# KiCad board Smart LED WS2812B Ring7.kicad_pcb (continued)
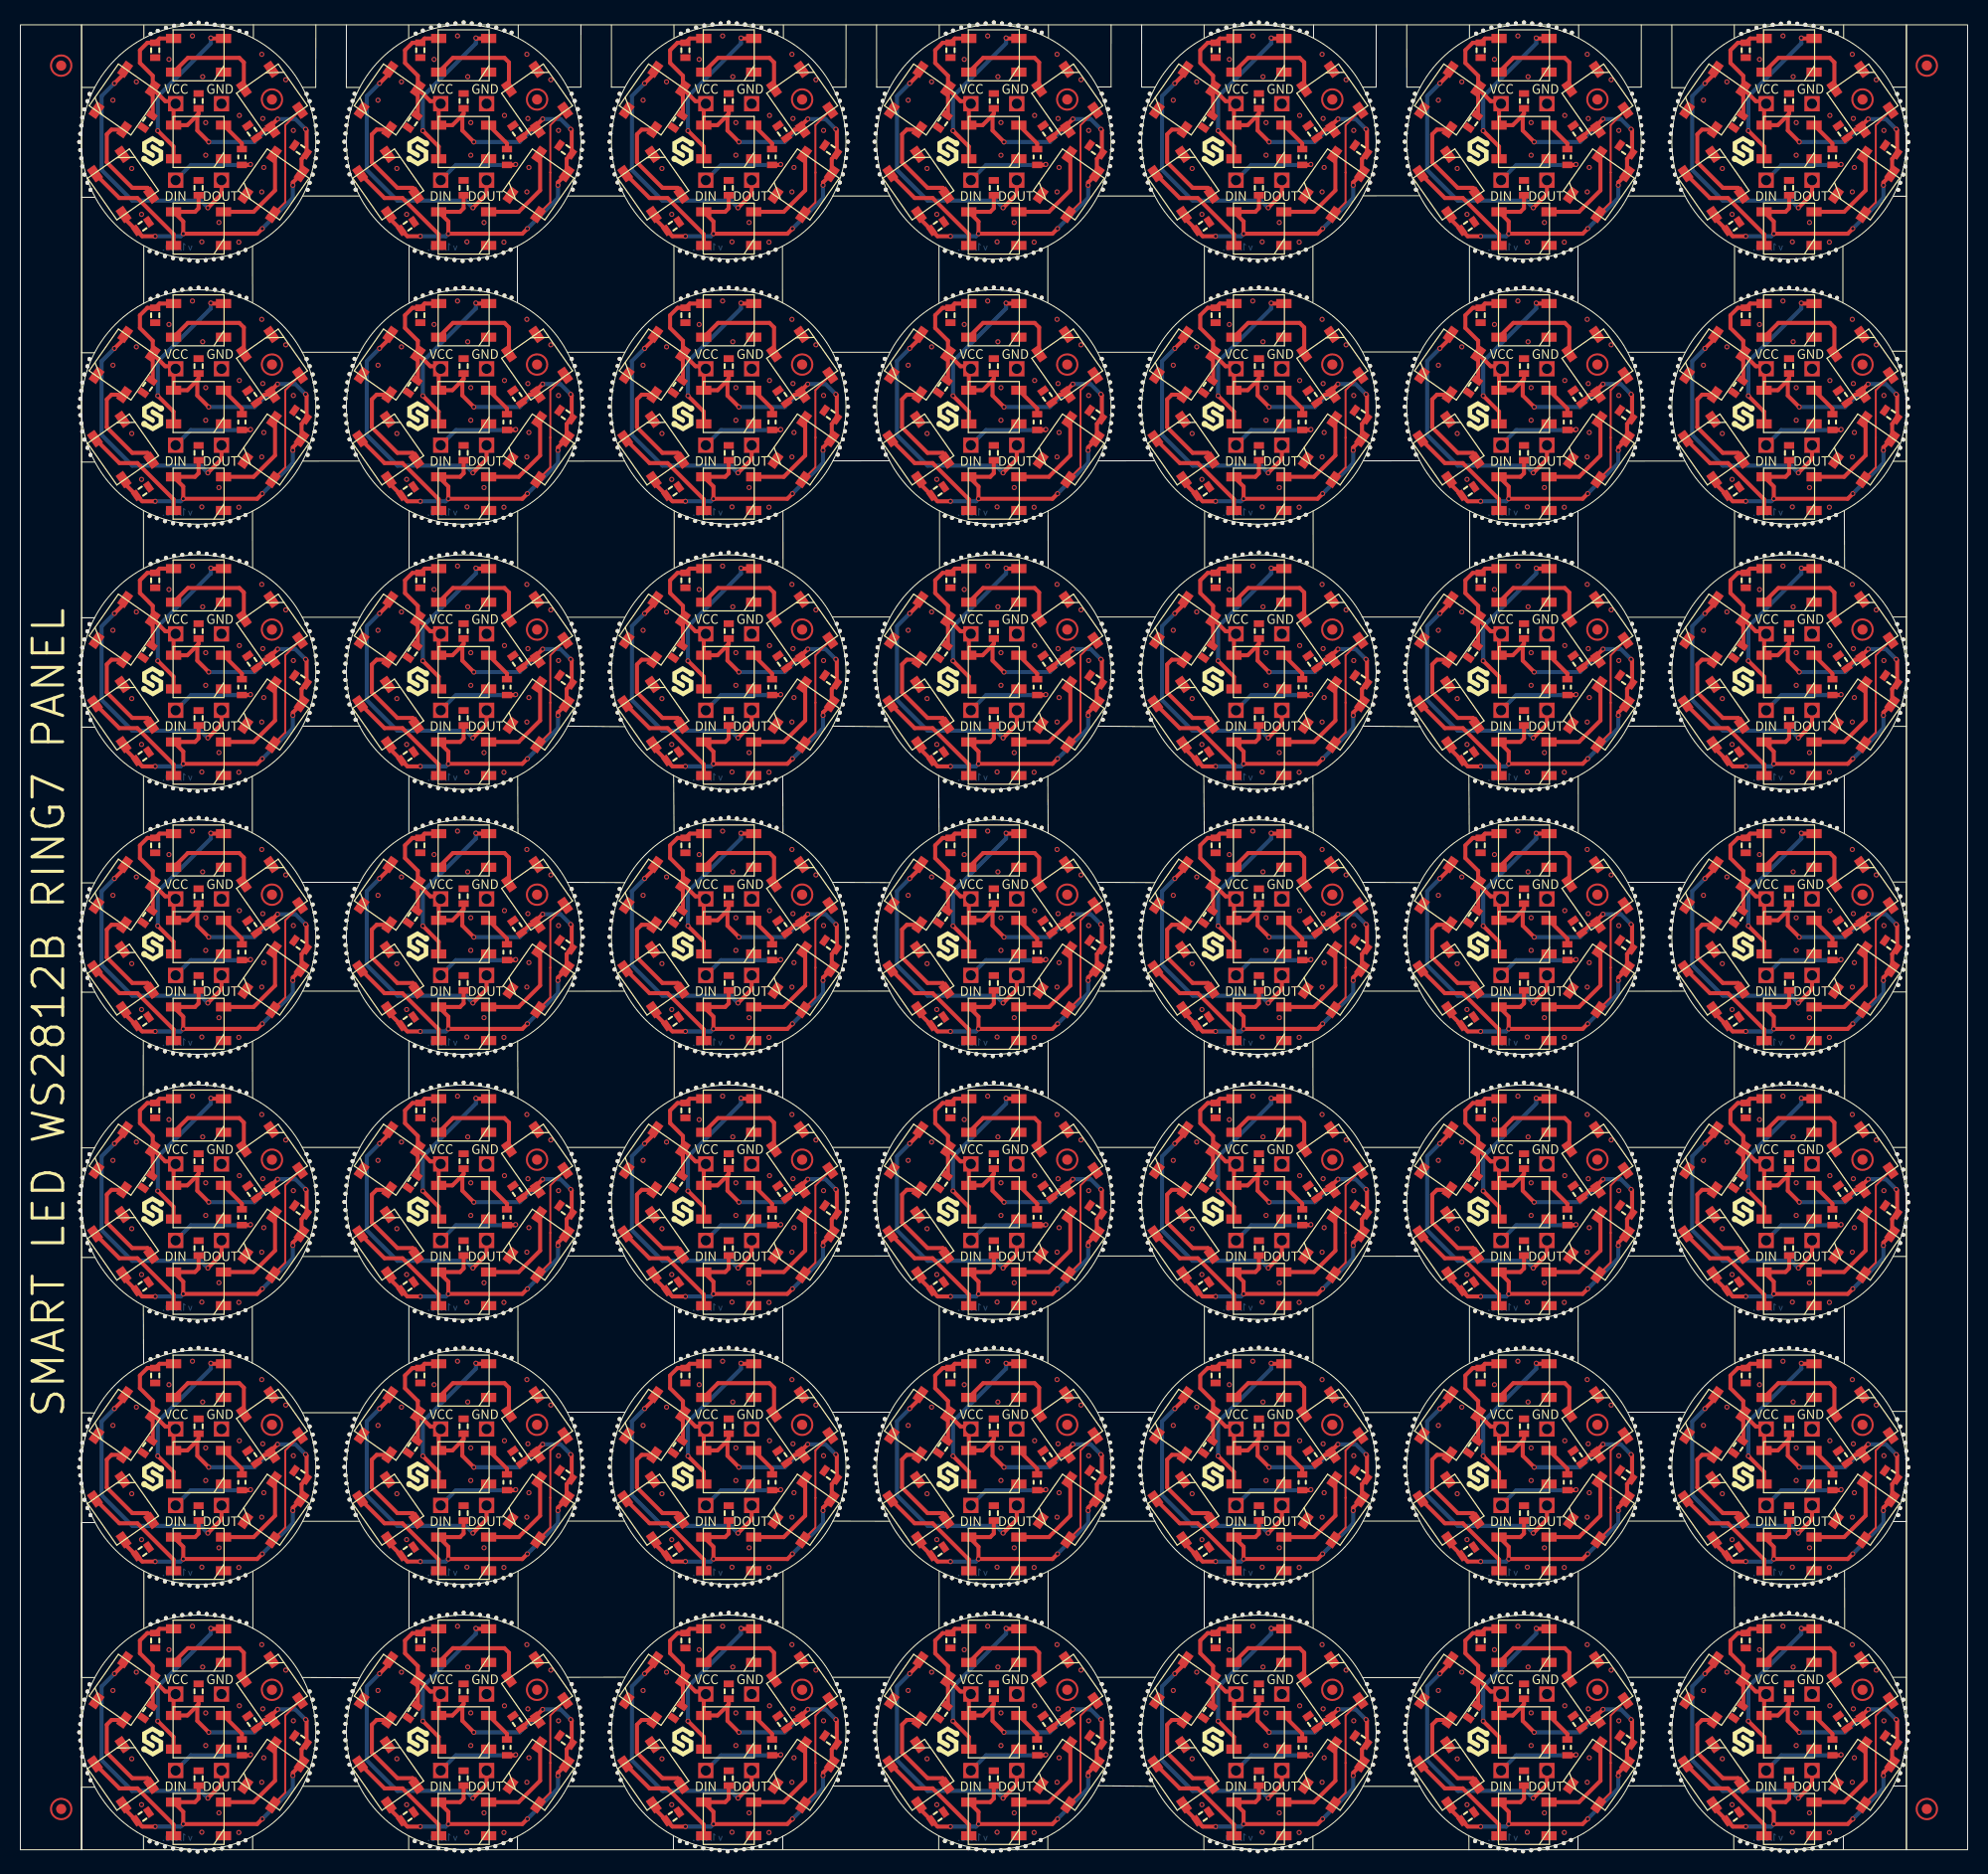
[diagram p0: board, top side]
## Routing (per net, layer and track width the routed paths; a pad name or vN(x,y) marks a point on that pad's centre or on a via; arc(x,y) is an arc through that point) (continued)
146.38,169.19 147.35,170.16 ; LED7#15.1 142.98,170.22 C7#5.1 ; 17.35,40.16 17.35,38.66 v1(18.47,37.53) ; 17.35,40.16 16.38,39.19 LED1.1 15.03,41.33 15.22,41.53 14.21,41.53 LED7#36.1 ; v1(65.22,158.28) 63.96,158.28 C6#22.1 62.13,160.11 LED6#2.1 ; C3#43.1 127.96,168.75 LED3#11.1 128.73,169.29 v1(129.22,169.78) ; 17.35,14.16 16.38,13.19 LED1#6.1 15.03,15.33 15.22,15.53 14.21,15.53 LED7#10.1 ; 17.35,14.16 17.47,14.28 C1#25.1 ; C1#17.1 147.47,66.28 147.35,66.16 ; C3#18.1 101.96,64.75 LED3#48.1 102.73,65.29 v1(103.22,65.78) ; v1(131.97,38.78) 132.07,38.69 C4#48.1 131.58,35.88 LED4.1 130.72,33.57 v1(130.72,33.28) ; v1(49.72,159.03) 49.22,158.53 v1(41.97,158.53) 41.97,159.73 LED5#19.1 43.12,160.69 43.47,161.03 C5#5.1 ; v1(51.22,39.78) 50.73,39.29 LED3#34.1 49.96,38.75 C3#39.1 ; v1(78.72,163.28) 78.72,163.57 LED4#48.1 79.58,165.88 C4#27.1 80.07,168.69 v1(79.97,168.78) ; v1(49.72,107.03) 49.22,106.53 v1(41.97,106.53) 41.97,107.73 LED5#2.1 43.12,108.69 43.47,109.03 C5#19.1 ; v1(53.97,38.78) 54.07,38.69 C4#20.1 53.58,35.88 LED4#39.1 52.72,33.57 v1(52.72,33.28) ; C5#43.1 121.47,135.03 121.12,134.69 LED5#48.1 119.97,133.73 v1(119.97,132.53) 127.22,132.53 v1(127.72,133.03) ; C7#35.1 116.98,40.22 LED7#43.1 ; LED6#32.1 62.13,108.11 C6#12.1 63.96,106.28 v1(65.22,106.28) ; v1(127.72,81.03) 127.22,80.53 v1(119.97,80.53) 119.97,81.73 LED5#32.1 121.12,82.69 121.47,83.03 C5#32.1 ; C7#16.1 12.98,14.22 LED7#10.1 ; C3#27.1 153.96,142.75 LED3#26.1 154.73,143.29 v1(155.22,143.78) ; v1(49.72,81.03) 49.22,80.53 v1(41.97,80.53) 41.97,81.73 LED5#39.1 43.12,82.69 43.47,83.03 C5#22.1 ; C3#25.1 23.96,116.75 LED3#5.1 24.73,117.29 v1(25.22,117.78) ; 173.35,66.16 173.47,66.28 C1#39.1 ; 121.35,170.16 121.35,168.66 v1(122.47,167.53) ; LED6#25.1 88.13,4.11 C6#11.1 89.96,2.28 v1(91.22,2.28) ; C3#10.1 75.96,64.75 LED3#41.1 76.73,65.29 v1(77.22,65.78) ; LED7#41.1 38.98,70.03 37.72,71.28 37.72,72.53 38.45,73.26 C2#42.1 39.64,73.69 LED2#23.1 ; v1(155.22,65.78) 154.73,65.29 LED3#3.1 153.96,64.75 C3#42.1 ; v1(27.97,142.78) 28.07,142.69 C4#30.1 27.58,139.88 LED4#22.1 26.72,137.57 v1(26.72,137.28) ; LED6#14.1 10.13,134.11 C6#19.1 11.96,132.28 v1(13.22,132.28) ; LED7#36.1 12.98,44.03 11.72,45.28 11.72,46.53 12.45,47.26 C2#34.1 13.64,47.69 LED2#42.1 ; LED7#36.1 12.98,40.22 C7#31.1 ; v1(182.72,59.28) 182.72,59.57 LED4#49.1 183.58,61.88 C4#38.1 184.07,64.69 v1(183.97,64.78) ; LED6#22.1 36.13,82.11 C6#32.1 37.96,80.28 v1(39.22,80.28) ; v1(131.97,168.78) 132.07,168.69 C4#10.1 131.58,165.88 LED4#23.1 130.72,163.57 v1(130.72,163.28) ; v1(127.72,159.03) 127.22,158.53 v1(119.97,158.53) 119.97,159.73 LED5#11.1 121.12,160.69 121.47,161.03 C5#31.1 ; LED2#29.1 169.65,125.69 C2#46.1 168.46,125.26 167.72,124.53 167.72,123.28 168.98,122.03 LED7#11.1 ; v1(96.47,115.53) 95.35,116.66 95.35,118.16 ; v1(181.22,13.78) 180.73,13.29 LED3#39.1 179.96,12.75 C3#31.1 ; v1(117.22,28.28) 115.96,28.28 C6#35.1 114.13,30.11 LED6#15.1 ; LED7#25.1 12.98,92.22 C7#10.1 ; LED7#25.1 12.98,96.03 11.72,97.28 11.72,98.53 12.45,99.26 C2#32.1 13.64,99.69 LED2#19.1 ; v1(155.22,169.78) 154.73,169.29 LED3#13.1 153.96,168.75 C3#8.1 ; LED7#49.1 168.98,170.22 C7#44.1 ; C3#15.1 127.96,90.75 LED3#31.1 128.73,91.29 v1(129.22,91.78) ; C3#37.1 49.96,12.75 LED3#16.1 50.73,13.29 v1(51.22,13.78) ; 147.35,170.16 147.35,168.66 v1(148.47,167.53) ; 69.35,40.16 68.38,39.19 LED1#10.1 67.03,41.33 67.22,41.53 66.21,41.53 LED7#40.1 ; 69.35,40.16 69.47,40.28 C1#21.1 ; 69.35,40.16 69.35,38.66 v1(70.47,37.53) ; v1(129.22,117.78) 128.73,117.29 LED3#20.1 127.96,116.75 C3.1 ; 43.35,92.16 43.35,90.66 v1(44.47,89.53) ; 43.35,92.16 43.47,92.28 C1#18.1 ; v1(157.97,142.78) 158.07,142.69 C4.1 157.58,139.88 LED4#3.1 156.72,137.57 v1(156.72,137.28) ; C5#40.1 69.47,57.03 69.12,56.69 LED5#36.1 67.97,55.73 v1(67.97,54.53) 75.22,54.53 v1(75.72,55.03) ; v1(26.72,85.28) 26.72,85.57 LED4#17.1 27.58,87.88 C4#14.1 28.07,90.69 v1(27.97,90.78) ; v1(53.97,116.78) 54.07,116.69 C4#5.1 53.58,113.88 LED4#33.1 52.72,111.57 v1(52.72,111.28) ; v1(157.97,90.78) 158.07,90.69 C4#23.1 157.58,87.88 LED4#30.1 156.72,85.57 v1(156.72,85.28) ; LED7#43.1 116.98,44.03 115.72,45.28 115.72,46.53 116.46,47.26 C2#38.1 117.65,47.69 LED2#43.1 ; LED6#36.1 10.13,108.11 C6#2.1 11.96,106.28 v1(13.22,106.28) ; LED2#39.1 13.64,73.69 C2#20.1 12.45,73.26 11.72,72.53 11.72,71.28 12.98,70.03 LED7#38.1 ; v1(25.22,169.78) 24.73,169.29 LED3#28.1 23.96,168.75 C3#46.1 ; C7#24.1 64.98,40.22 LED7#40.1 ; C5#48.1 147.47,83.03 147.12,82.69 LED5#33.1 145.97,81.73 v1(145.97,80.53) 153.22,80.53 v1(153.72,81.03) ; LED7#32.1 66.21,171.53 67.22,171.53 67.03,171.33 LED1#5.1 68.38,169.19 69.35,170.16 ; v1(143.22,132.28) 141.96,132.28 C6#42.1 140.13,134.11 LED6#28.1 ; C3#47.1 75.96,12.75 LED3#47.1 76.73,13.29 v1(77.22,13.78) ; 173.35,40.16 173.47,40.28 C1#6.1 ; LED7#4.1 90.98,170.22 C7#33.1 ; LED7#4.1 90.98,174.03 89.72,175.28 89.72,176.53 90.46,177.26 C2#4.1 91.65,177.69 LED2#24.1 ; v1(169.22,106.28) 167.96,106.28 C6#14.1 166.13,108.11 LED6#16.1 ; v1(101.72,81.03) 101.22,80.53 v1(93.97,80.53) 93.97,81.73 LED5#4.1 95.12,82.69 95.47,83.03 C5#25.1 ; v1(105.97,38.78) 106.07,38.69 C4#42.1 105.58,35.88 LED4#18.1 104.72,33.57 v1(104.72,33.28) ; LED6#26.1 10.13,56.11 C6#3.1 11.96,54.28 v1(13.22,54.28) ; v1(70.47,167.53) 69.35,168.66 69.35,170.16 ; v1(52.72,59.28) 52.72,59.57 LED4#9.1 53.58,61.88 C4#9.1 54.07,64.69 v1(53.97,64.78) ; C5#7.1 69.47,83.03 69.12,82.69 LED5#25.1 67.97,81.73 v1(67.97,80.53) 75.22,80.53 v1(75.72,81.03) ; C3#30.1 49.96,64.75 LED3#7.1 50.73,65.29 v1(51.22,65.78) ; v1(129.22,13.78) 128.73,13.29 LED3#25.1 127.96,12.75 C3#29.1 ; C3#16.1 153.96,90.75 LED3#32.1 154.73,91.29 v1(155.22,91.78) ; C1#2.1 121.47,14.28 121.35,14.16 ; C3#5.1 23.96,64.75 LED3#46.1 24.73,65.29 v1(25.22,65.78) ; C3#45.1 101.96,116.75 LED3#18.1 102.73,117.29 v1(103.22,117.78) ; LED2#21.1 117.65,151.69 C2#9.1 116.46,151.26 115.72,150.53 115.72,149.28 116.98,148.03 LED7#23.1 ; C5#30.1 43.47,57.03 43.12,56.69 LED5#40.1 41.97,55.73 v1(41.97,54.53) 49.22,54.53 v1(49.72,55.03) ; v1(23.72,29.03) 23.22,28.53 v1(15.97,28.53) 15.97,29.73 LED5#16.1 17.12,30.69 17.47,31.03 C5#33.1 ; C5#45.1 69.47,5.03 69.12,4.69 67.03,4.69 67.97,3.74 v1(67.97,2.53) 75.22,2.53 v1(75.72,3.03) ; C5#41.1 17.47,135.03 17.12,134.69 LED5#18.1 15.97,133.73 v1(15.97,132.53) 23.22,132.53 v1(23.72,133.03) ; LED7#10.1 12.98,18.03 11.72,19.28 11.72,20.53 12.45,21.26 C2#31.1 13.64,21.69 LED2#41.1 ; 121.35,14.16 121.35,12.66 v1(122.47,11.53) ; C5#35.1 69.47,135.03 69.12,134.69 LED5#45.1 67.97,133.73 v1(67.97,132.53) 75.22,132.53 v1(75.72,133.03) ; C5#26.1 147.47,109.03 147.12,108.69 LED5#7.1 145.97,107.73 v1(145.97,106.53) 153.22,106.53 v1(153.72,107.03) ; v1(91.22,54.28) 89.96,54.28 C6#38.1 88.13,56.11 LED6#7.1 ; C3#22.1 75.96,116.75 LED3#43.1 76.73,117.29 v1(77.22,117.78) ; v1(155.22,13.78) 154.73,13.29 LED3#12.1 153.96,12.75 C3#41.1 ; v1(104.72,7.28) 104.72,7.57 LED4#24.1 105.58,9.88 C4#13.1 106.07,12.69 v1(105.97,12.78) ; C3#12.1 153.96,38.75 LED3#37.1 154.73,39.29 v1(155.22,39.78) ; v1(181.22,65.78) 180.73,65.29 LED3#42.1 179.96,64.75 C3#20.1 ; 95.35,118.16 95.47,118.28 C1#8.1 ; v1(27.97,38.78) 28.07,38.69 C4#17.1 27.58,35.88 LED4#44.1 26.72,33.57 v1(26.72,33.28) ; C1#44.1 69.47,170.28 69.35,170.16 ; v1(129.22,39.78) 128.73,39.29 LED3#23.1 127.96,38.75 C3#4.1 ; v1(23.72,55.03) 23.22,54.53 v1(15.97,54.53) 15.97,55.73 LED5#20.1 17.12,56.69 17.47,57.03 C5#2.1 ; v1(53.97,90.78) 54.07,90.69 C4#40.1 53.58,87.88 LED4#26.1 52.72,85.57 v1(52.72,85.28) ; LED6#20.1 166.13,160.11 C6#18.1 167.96,158.28 v1(169.22,158.28) ; v1(127.72,55.03) 127.22,54.53 v1(119.97,54.53) 119.97,55.73 LED5#31.1 121.12,56.69 121.47,57.03 C5.1 ; 173.35,144.16 173.47,144.28 C1#23.1 ; v1(13.22,80.28) 11.96,80.28 C6#28.1 10.13,82.11 LED6#19.1 ; C5#42.1 17.47,109.03 17.12,108.69 LED5#49.1 15.97,107.73 v1(15.97,106.53) 23.22,106.53 v1(23.72,107.03) ; LED6#13.1 36.13,30.11 C6#44.1 37.96,28.28 v1(39.22,28.28) ; v1(131.97,142.78) 132.07,142.69 C4#26.1 131.58,139.88 LED4#42.1 130.72,137.57 v1(130.72,137.28) ; v1(105.97,90.78) 106.07,90.69 C4#35.1 105.58,87.88 LED4#29.1 104.72,85.57 v1(104.72,85.28) ; v1(182.72,163.28) 182.72,163.57 LED4#12.1 183.58,165.88 C4#34.1 184.07,168.69 v1(183.97,168.78) ; C5#8.1 95.47,135.03 95.12,134.69 LED5#9.1 93.97,133.73 v1(93.97,132.53) 101.22,132.53 v1(101.72,133.03) ; LED6#29.1 36.13,108.11 C6#16.1 37.96,106.28 v1(39.22,106.28) ; v1(23.72,81.03) 23.22,80.53 v1(15.97,80.53) 15.97,81.73 LED5#37.1 17.12,82.69 17.47,83.03 C5#49.1 ; C5#10.1 95.47,109.03 95.12,108.69 LED5#26.1 93.97,107.73 v1(93.97,106.53) 101.22,106.53 v1(101.72,107.03) ; v1(23.72,159.03) 23.22,158.53 v1(15.97,158.53) 15.97,159.73 LED5#35.1 17.12,160.69 17.47,161.03 C5#15.1 ; v1(101.72,3.03) 101.22,2.53 v1(93.97,2.53) 93.97,3.74 93.03,4.69 95.12,4.69 95.47,5.03 C5#20.1 ; C3#24.1 75.96,168.75 LED3#38.1 76.73,169.29 v1(77.22,169.78) ; v1(39.22,54.28) 37.96,54.28 C6#27.1 36.13,56.11 LED6#49.1 ; v1(181.22,169.78) 180.73,169.29 LED3#6.1 179.96,168.75 C3#32.1 ; LED6#5.1 10.13,4.11 C6#6.1 11.96,2.28 v1(13.22,2.28) ; LED7#40.1 64.98,44.03 63.72,45.28 63.72,46.53 64.46,47.26 C2#23.1 65.65,47.69 LED2#4.1 ; LED6#4.1 114.13,134.11 C6#7.1 115.96,132.28 v1(117.22,132.28) ; C3#33.1 49.96,168.75 LED3#36.1 50.73,169.29 v1(51.22,169.78) ; v1(156.72,59.28) 156.72,59.57 LED4#34.1 157.58,61.88 C4#41.1 158.07,64.69 v1(157.97,64.78) ; v1(79.97,142.78) 80.07,142.69 C4#2.1 79.58,139.88 LED4#4.1 78.72,137.57 v1(78.72,137.28) ; v1(78.72,33.28) 78.72,33.57 LED4#20.1 79.58,35.88 C4#24.1 80.07,38.69 v1(79.97,38.78) ; v1(179.72,29.03) 179.22,28.53 v1(171.97,28.53) 171.97,29.73 LED5#28.1 173.12,30.69 173.47,31.03 C5#18.1 ; v1(117.22,54.28) 115.96,54.28 C6#46.1 114.13,56.11 LED6#6.1 ; C3#23.1 23.96,12.75 LED3#22.1 24.73,13.29 v1(25.22,13.78) ; v1(52.72,163.28) 52.72,163.57 LED4#13.1 53.58,165.88 C4#36.1 54.07,168.69 v1(53.97,168.78) ; v1(179.72,55.03) 179.22,54.53 v1(171.97,54.53) 171.97,55.73 LED5#41.1 173.12,56.69 173.47,57.03 C5#23.1 ; v1(39.22,132.28) 37.96,132.28 C6#45.1 36.13,134.11 LED6#35.1 ; v1(117.22,158.28) 115.96,158.28 C6#31.1 114.13,160.11 LED6#30.1
  Bottom w0.4: v1(174.47,37.53) 178.97,37.53 v1(181.22,39.78) 182.97,39.78 v1(183.97,38.78) ; v1(44.47,115.53) 48.97,115.53 v1(51.22,117.78) 52.97,117.78 v1(53.97,116.78) ; v1(171.97,54.53) 171.72,54.28 v1(169.22,54.28) ; v1(156.72,33.28) 156.72,32.03 v1(153.72,29.03) ; v1(44.47,167.53) 48.97,167.53 v1(51.22,169.78) 52.97,169.78 v1(53.97,168.78) ; v1(96.47,11.53) 100.97,11.53 v1(103.22,13.78) 104.97,13.78 v1(105.97,12.78) ; v1(18.47,141.53) 22.97,141.53 v1(25.22,143.78) 26.97,143.78 v1(27.97,142.78) ; v1(119.97,28.53) 119.72,28.28 v1(117.22,28.28) ; v1(105.97,142.78) 104.97,143.78 v1(103.22,143.78) 100.97,141.53 v1(96.47,141.53) ; v1(79.97,142.78) 78.97,143.78 v1(77.22,143.78) 74.97,141.53 v1(70.47,141.53) ; v1(70.47,89.53) 74.97,89.53 v1(77.22,91.78) 78.97,91.78 v1(79.97,90.78) ; v1(119.97,158.53) 119.72,158.28 v1(117.22,158.28) ; v1(15.97,132.53) 15.72,132.28 v1(13.22,132.28) ; v1(91.22,106.28) 93.72,106.28 v1(93.97,106.53) ; v1(27.97,90.78) 26.97,91.78 v1(25.22,91.78) 22.97,89.53 v1(18.47,89.53) ; v1(41.97,80.53) 41.72,80.28 v1(39.22,80.28) ; v1(119.97,54.53) 119.72,54.28 v1(117.22,54.28) ; v1(171.97,28.53) 171.72,28.28 v1(169.22,28.28) ; v1(101.72,3.03) 104.72,6.03 v1(104.72,7.28) ; v1(174.47,141.53) 178.97,141.53 v1(181.22,143.78) 182.97,143.78 v1(183.97,142.78) ; v1(104.72,85.28) 104.72,84.03 v1(101.72,81.03) ; v1(169.22,132.28) 171.72,132.28 v1(171.97,132.53) ; v1(18.47,115.53) 22.97,115.53 v1(25.22,117.78) 26.97,117.78 v1(27.97,116.78) ; v1(157.97,38.78) 156.97,39.78 v1(155.22,39.78) 152.97,37.53 v1(148.47,37.53) ; v1(26.72,33.28) 26.72,32.03 v1(23.72,29.03) ; v1(117.22,106.28) 119.72,106.28 v1(119.97,106.53) ; v1(41.97,2.53) 41.72,2.28 v1(39.22,2.28) ; v1(153.72,107.03) 156.72,110.03 v1(156.72,111.28) ; v1(122.47,141.53) 126.97,141.53 v1(129.22,143.78) 130.97,143.78 v1(131.97,142.78) ; v1(67.97,106.53) 67.72,106.28 v1(65.22,106.28) ; v1(130.72,137.28) 130.72,136.03 v1(127.72,133.03) ; v1(183.97,168.78) 182.97,169.78 v1(181.22,169.78) 178.97,167.53 v1(174.47,167.53) ; v1(183.97,90.78) 182.97,91.78 v1(181.22,91.78) 178.97,89.53 v1(174.47,89.53) ; v1(183.97,116.78) 182.97,117.78 v1(181.22,117.78) 178.97,115.53 v1(174.47,115.53) ; v1(27.97,64.78) 26.97,65.78 v1(25.22,65.78) 22.97,63.53 v1(18.47,63.53) ; v1(15.97,54.53) 15.72,54.28 v1(13.22,54.28) ; v1(153.72,55.03) 156.72,58.03 v1(156.72,59.28) ; v1(130.72,163.28) 130.72,162.03 v1(127.72,159.03) ; v1(53.97,90.78) 52.97,91.78 v1(51.22,91.78) 48.97,89.53 v1(44.47,89.53) ; v1(41.97,132.53) 41.72,132.28 v1(39.22,132.28) ; v1(104.72,59.28) 104.72,58.03 v1(101.72,55.03) ; v1(104.72,111.28) 104.72,110.03 v1(101.72,107.03) ; v1(44.47,141.53) 48.97,141.53 v1(51.22,143.78) 52.97,143.78 v1(53.97,142.78) ; v1(91.22,132.28) 93.72,132.28 v1(93.97,132.53) ; v1(26.72,163.28) 26.72,162.03 v1(23.72,159.03) ; v1(182.72,33.28) 182.72,32.03 v1(179.72,29.03) ; v1(131.97,64.78) 130.97,65.78 v1(129.22,65.78) 126.97,63.53 v1(122.47,63.53) ; v1(26.72,7.28) 26.72,6.03 v1(23.72,3.03) ; v1(75.72,133.03) 78.72,136.03 v1(78.72,137.28) ; v1(75.72,159.03) 78.72,162.03 v1(78.72,163.28) ; v1(41.97,158.53) 41.72,158.28 v1(39.22,158.28) ; v1(117.22,2.28) 119.72,2.28 v1(119.97,2.53) ; v1(130.72,85.28) 130.72,84.03 v1(127.72,81.03) ; v1(182.72,59.28) 182.72,58.03 v1(179.72,55.03) ; v1(13.22,158.28) 15.72,158.28 v1(15.97,158.53) ; v1(143.22,132.28) 145.72,132.28 v1(145.97,132.53) ; v1(52.72,59.28) 52.72,58.03 v1(49.72,55.03) ; v1(179.72,159.03) 182.72,162.03 v1(182.72,163.28) ; v1(157.97,64.78) 156.97,65.78 v1(155.22,65.78) 152.97,63.53 v1(148.47,63.53) ; v1(96.47,63.53) 100.97,63.53 v1(103.22,65.78) 104.97,65.78 v1(105.97,64.78) ; v1(75.72,55.03) 78.72,58.03 v1(78.72,59.28) ; v1(79.97,168.78) 78.97,169.78 v1(77.22,169.78) 74.97,167.53 v1(70.47,167.53) ; v1(101.72,29.03) 104.72,32.03 v1(104.72,33.28) ; v1(130.72,59.28) 130.72,58.03 v1(127.72,55.03) ; v1(145.97,80.53) 145.72,80.28 v1(143.22,80.28) ; v1(18.47,11.53) 22.97,11.53 v1(25.22,13.78) 26.97,13.78 v1(27.97,12.78) ; v1(96.47,167.53) 100.97,167.53 v1(103.22,169.78) 104.97,169.78 v1(105.97,168.78) ; v1(96.47,115.53) 100.97,115.53 v1(103.22,117.78) 104.97,117.78 v1(105.97,116.78) ; v1(93.97,80.53) 93.72,80.28 v1(91.22,80.28) ; v1(26.72,137.28) 26.72,136.03 v1(23.72,133.03) ; v1(131.97,168.78) 130.97,169.78 v1(129.22,169.78) 126.97,167.53 v1(122.47,167.53) ; v1(78.72,111.28) 78.72,110.03 v1(75.72,107.03) ; v1(93.97,28.53) 93.72,28.28 v1(91.22,28.28) ; v1(93.97,54.53) 93.72,54.28 v1(91.22,54.28) ; v1(93.97,2.53) 93.72,2.28 v1(91.22,2.28) ; v1(39.22,28.28) 41.72,28.28 v1(41.97,28.53) ; v1(52.72,85.28) 52.72,84.03 v1(49.72,81.03) ; v1(117.22,80.28) 119.72,80.28 v1(119.97,80.53) ; v1(143.22,2.28) 145.72,2.28 v1(145.97,2.53) ; v1(153.72,133.03) 156.72,136.03 v1(156.72,137.28) ; v1(153.72,81.03) 156.72,84.03 v1(156.72,85.28) ; v1(131.97,12.78) 130.97,13.78 v1(129.22,13.78) 126.97,11.53 v1(122.47,11.53) ; v1(148.47,115.53) 152.97,115.53 v1(155.22,117.78) 156.97,117.78 v1(157.97,116.78) ; v1(145.97,106.53) 145.72,106.28 v1(143.22,106.28) ; v1(78.72,85.28) 78.72,84.03 v1(75.72,81.03) ; v1(53.97,38.78) 52.97,39.78 v1(51.22,39.78) 48.97,37.53 v1(44.47,37.53) ; v1(67.97,132.53) 67.72,132.28 v1(65.22,132.28) ; v1(49.72,107.03) 52.72,110.03 v1(52.72,111.28) ; v1(179.72,107.03) 182.72,110.03 v1(182.72,111.28) ; v1(171.97,106.53) 171.72,106.28 v1(169.22,106.28) ; v1(104.72,163.28) 104.72,162.03 v1(101.72,159.03) ; v1(153.72,3.03) 156.72,6.03 v1(156.72,7.28) ; v1(130.72,111.28) 130.72,110.03 v1(127.72,107.03) ; v1(65.22,158.28) 67.72,158.28 v1(67.97,158.53) ; v1(53.97,64.78) 52.97,65.78 v1(51.22,65.78) 48.97,63.53 v1(44.47,63.53) ; v1(182.72,85.28) 182.72,84.03 v1(179.72,81.03) ; v1(174.47,63.53) 178.97,63.53 v1(181.22,65.78) 182.97,65.78 v1(183.97,64.78) ; v1(79.97,64.78) 78.97,65.78 v1(77.22,65.78) 74.97,63.53 v1(70.47,63.53) ; v1(157.97,168.78) 156.97,169.78 v1(155.22,169.78) 152.97,167.53 v1(148.47,167.53) ; v1(15.97,80.53) 15.72,80.28 v1(13.22,80.28) ; v1(65.22,28.28) 67.72,28.28 v1(67.97,28.53) ; v1(65.22,2.28) 67.72,2.28 v1(67.97,2.53) ; v1(157.97,12.78) 156.97,13.78 v1(155.22,13.78) 152.97,11.53 v1(148.47,11.53) ; v1(122.47,115.53) 126.97,115.53 v1(129.22,117.78) 130.97,117.78 v1(131.97,116.78) ; v1(41.97,106.53) 41.72,106.28 v1(39.22,106.28) ; v1(130.72,7.28) 130.72,6.03 v1(127.72,3.03) ; v1(49.72,133.03) 52.72,136.03 v1(52.72,137.28) ; v1(117.22,132.28) 119.72,132.28 v1(119.97,132.53) ; v1(53.97,12.78) 52.97,13.78 v1(51.22,13.78) 48.97,11.53 v1(44.47,11.53) ; v1(23.72,55.03) 26.72,58.03 v1(26.72,59.28) ; v1(52.72,7.28) 52.72,6.03 v1(49.72,3.03) ; v1(65.22,54.28) 67.72,54.28 v1(67.97,54.53) ; v1(101.72,133.03) 104.72,136.03 v1(104.72,137.28) ; v1(179.72,133.03) 182.72,136.03 v1(182.72,137.28) ; v1(143.22,158.28) 145.72,158.28 v1(145.97,158.53) ; v1(93.97,158.53) 93.72,158.28 v1(91.22,158.28) ; v1(67.97,80.53) 67.72,80.28 v1(65.22,80.28) ; v1(23.72,107.03) 26.72,110.03 v1(26.72,111.28) ; v1(23.72,81.03) 26.72,84.03 v1(26.72,85.28) ; v1(171.97,158.53) 171.72,158.28 v1(169.22,158.28) ; v1(27.97,38.78) 26.97,39.78 v1(25.22,39.78) 22.97,37.53 v1(18.47,37.53) ; v1(41.97,54.53) 41.72,54.28 v1(39.22,54.28) ; v1(79.97,38.78) 78.97,39.78 v1(77.22,39.78) 74.97,37.53 v1(70.47,37.53) ; v1(13.22,106.28) 15.72,106.28 v1(15.97,106.53) ; v1(145.97,54.53) 145.72,54.28 v1(143.22,54.28) ; v1(105.97,90.78) 104.97,91.78 v1(103.22,91.78) 100.97,89.53 v1(96.47,89.53) ; v1(156.72,163.28) 156.72,162.03 v1(153.72,159.03) ; v1(75.72,3.03) 78.72,6.03 v1(78.72,7.28) ; v1(182.72,7.28) 182.72,6.03 v1(179.72,3.03) ; v1(130.72,33.28) 130.72,32.03 v1(127.72,29.03) ; v1(70.47,11.53) 74.97,11.53 v1(77.22,13.78) 78.97,13.78 v1(79.97,12.78) ; v1(183.97,12.78) 182.97,13.78 v1(181.22,13.78) 178.97,11.53 v1(174.47,11.53) ; v1(13.22,2.28) 15.72,2.28 v1(15.97,2.53) ; v1(52.72,163.28) 52.72,162.03 v1(49.72,159.03) ; v1(96.47,37.53) 100.97,37.53 v1(103.22,39.78) 104.97,39.78 v1(105.97,38.78) ; v1(148.47,141.53) 152.97,141.53 v1(155.22,143.78) 156.97,143.78 v1(157.97,142.78) ; v1(18.47,167.53) 22.97,167.53 v1(25.22,169.78) 26.97,169.78 v1(27.97,168.78) ; v1(148.47,89.53) 152.97,89.53 v1(155.22,91.78) 156.97,91.78 v1(157.97,90.78) ; v1(15.97,28.53) 15.72,28.28 v1(13.22,28.28) ; v1(79.97,116.78) 78.97,117.78 v1(77.22,117.78) 74.97,115.53 v1(70.47,115.53) ; v1(75.72,29.03) 78.72,32.03 v1(78.72,33.28) ; v1(122.47,37.53) 126.97,37.53 v1(129.22,39.78) 130.97,39.78 v1(131.97,38.78) ; v1(131.97,90.78) 130.97,91.78 v1(129.22,91.78) 126.97,89.53 v1(122.47,89.53) ; v1(52.72,33.28) 52.72,32.03 v1(49.72,29.03) ; v1(143.22,28.28) 145.72,28.28 v1(145.97,28.53) ; v1(169.22,80.28) 171.72,80.28 v1(171.97,80.53) ; v1(169.22,2.28) 171.72,2.28 v1(171.97,2.53)
  vias: v2(15.22,171.28) v2(15.22,145.28) v2(15.22,119.28) v2(15.22,93.28) v2(15.22,67.28) v2(15.22,41.28) v2(15.22,15.28) v2(41.22,171.28) v2(41.22,145.28) v2(41.22,119.28) v2(41.22,93.28) v2(41.22,67.28) v2(41.22,41.28) v2(41.22,15.28) v2(67.22,171.28) v2(67.22,145.28) v2(67.22,119.28) v2(67.22,93.28) v2(67.22,67.28) v2(67.22,41.28) v2(67.22,15.28) v2(93.22,171.28) v2(93.22,145.28) v2(93.22,119.28) v2(93.22,93.28) v2(93.22,67.28) v2(93.22,41.28) v2(93.22,15.28) v2(119.22,171.28) v2(119.22,145.28) v2(119.22,119.28) v2(119.22,93.28) v2(119.22,67.28) v2(119.22,41.28) v2(119.22,15.28) v2(145.22,171.28) v2(145.22,145.28) v2(145.22,119.28) v2(145.22,93.28) v2(145.22,67.28) v2(145.22,41.28) v2(145.22,15.28) v2(171.22,171.28) v2(171.22,145.28) v2(171.22,119.28) v2(171.22,93.28) v2(171.22,67.28) v2(171.22,41.28) v2(171.22,15.28)
